# Altium PCB TrilliumV4.PcbDoc (part 3 of 3)
Units mm, origin at the board's own origin, x right, y up, seen from the top; angles counter-clockwise.
Board outline 100 x 100 mm, 4 copper layers (Top Layer, Ground Plane, Power Plane, Bottom Layer), stack 1.667 mm thick; 197 components, 151 nets, 1108 pads, 340 vias.
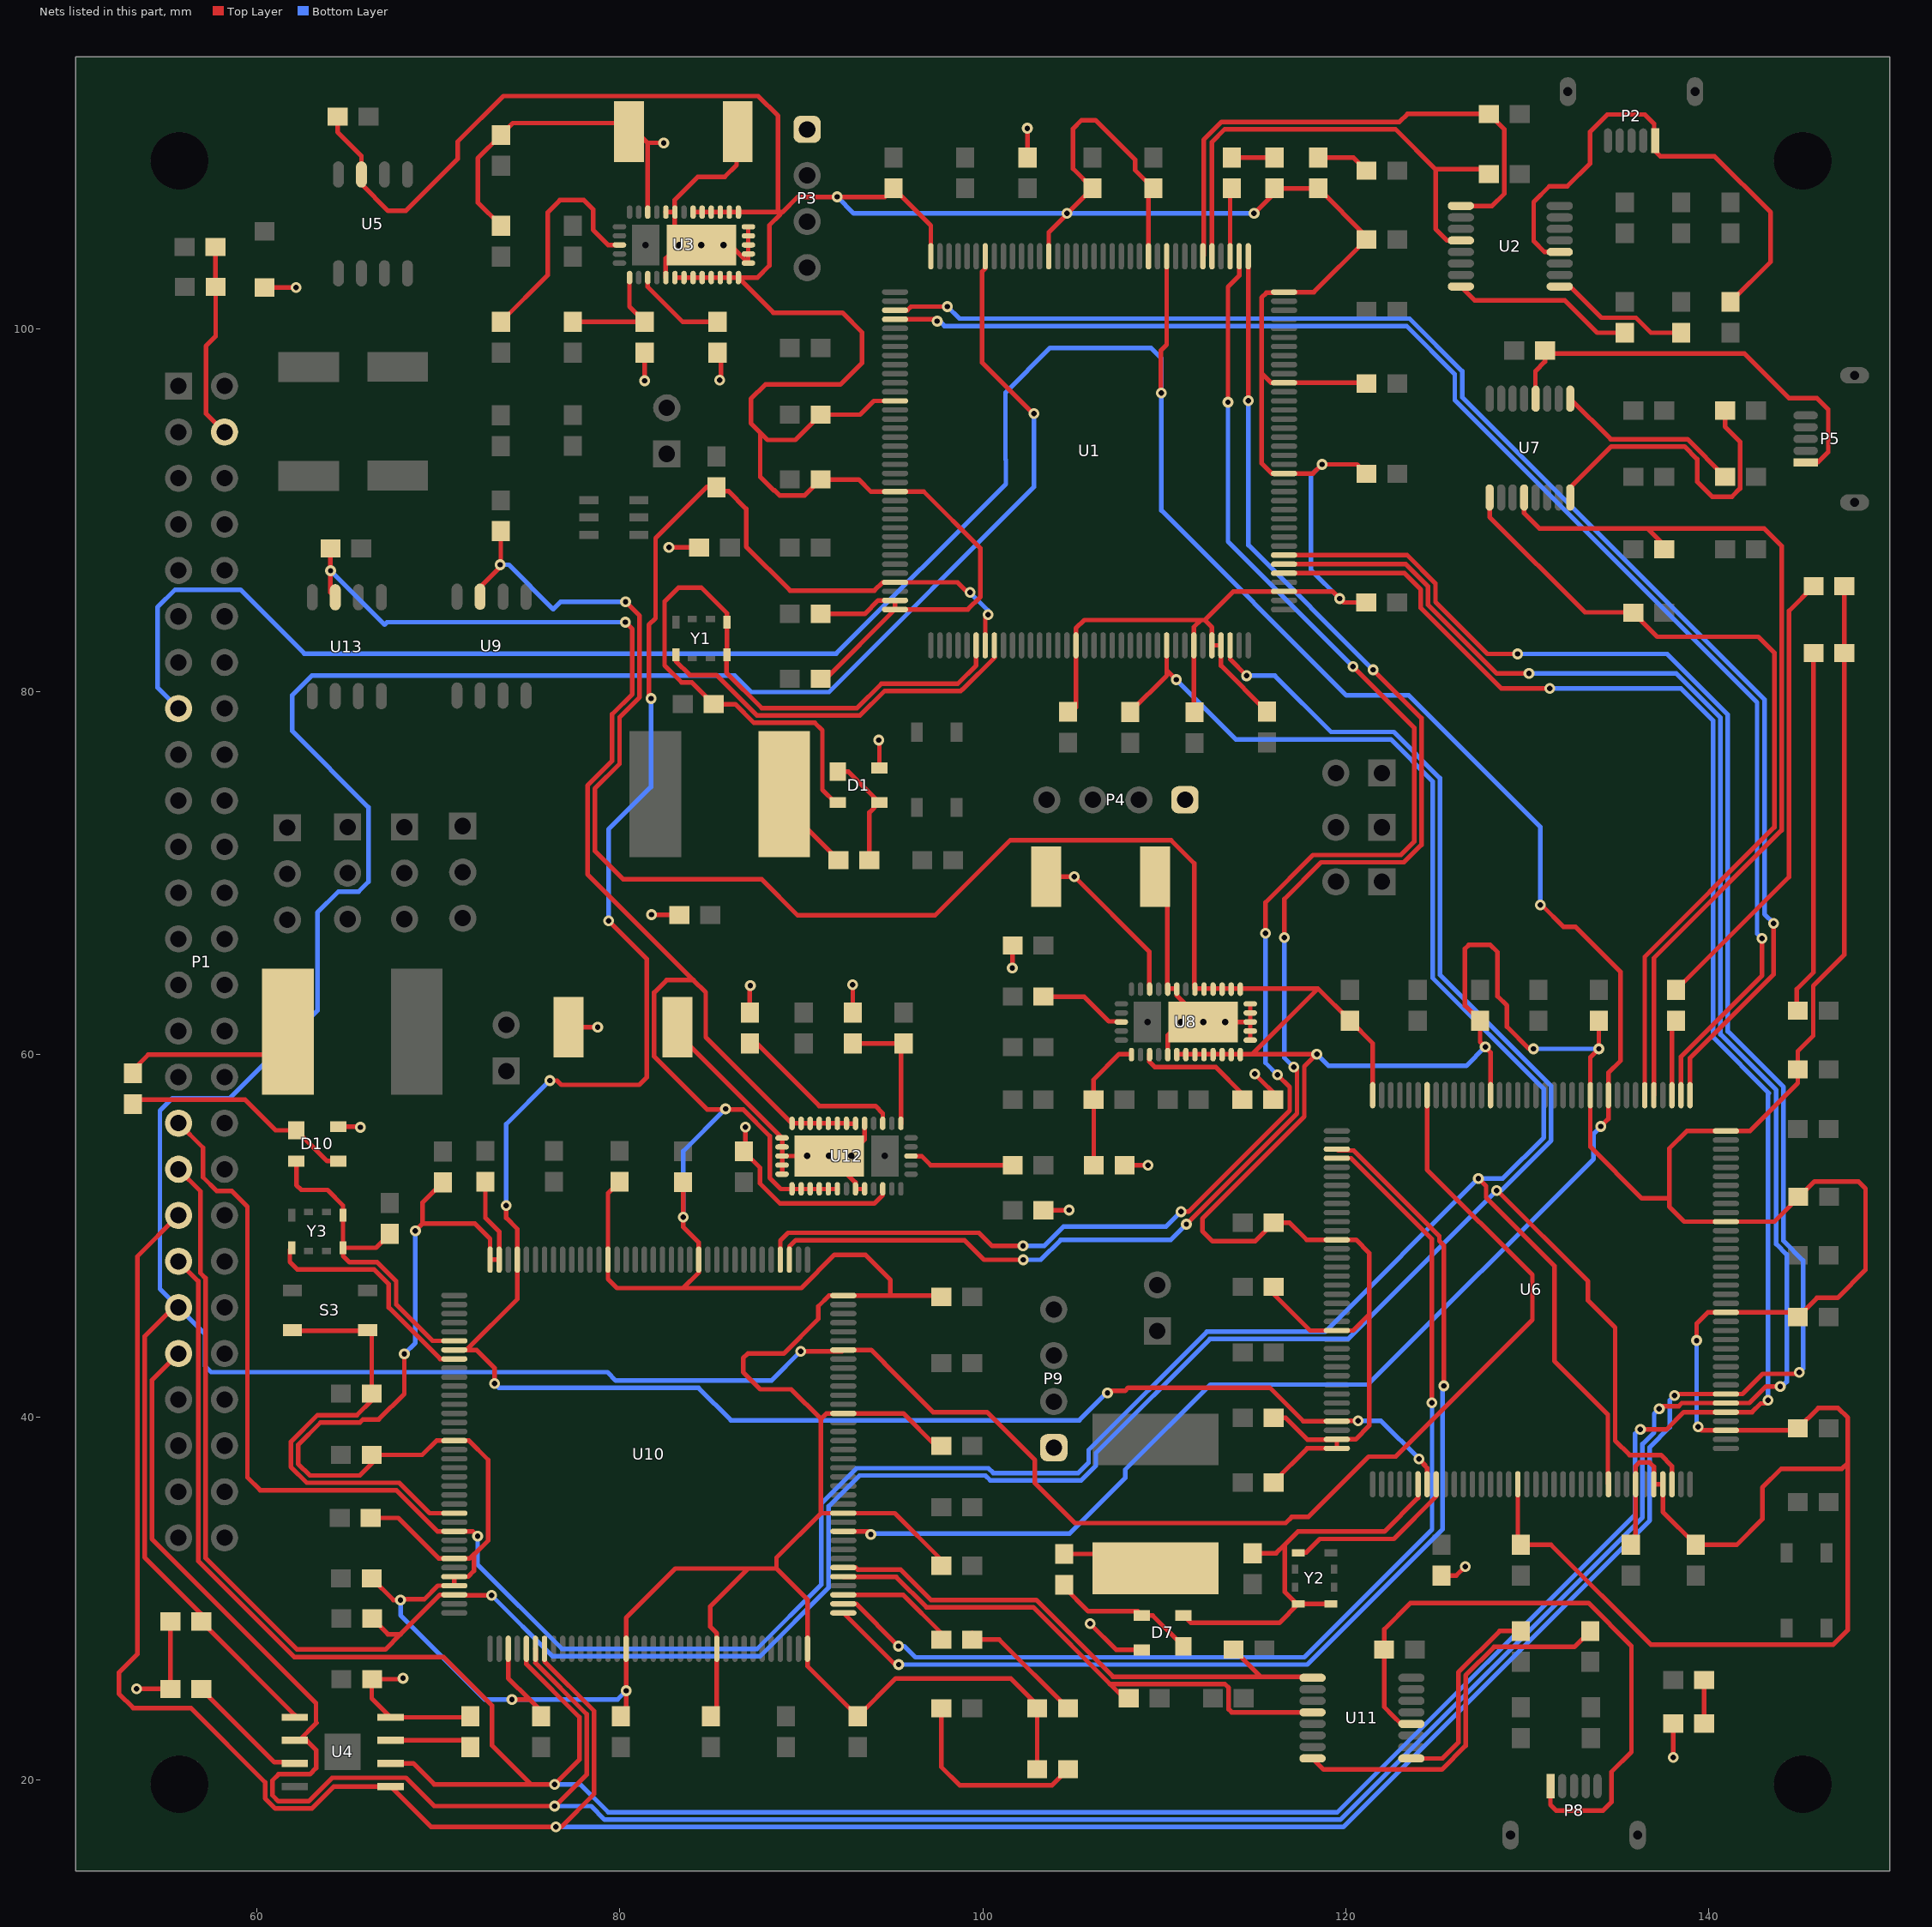
[diagram p5: the nets of this part, all layers, seen from the top]

## Via types
v1: diameter 0.6, hole 0.3, Top Layer to Bottom Layer, tented both sides, 338 vias
v2: diameter 0.5, hole 0.2, Top Layer to Bottom Layer, tented both sides, 2 vias

## Nets (pads, with @x,y where several pads share a name; then routed paths per layer and width w, separated by ;. In a path a pad name is that pad's centre, name@x,y a point inside that pad or via, vN(x,y) a via of type N, cw(c..) or ccw(c..) an arc to the next point about the centre after c; other vN are vias at no path point) (continued)
NetC59_1: C59.1 S3.1 U10.25 | length 24.9
  Top Layer w0.254: S3.1@61.92,44.78 66.07,44.78 66.31,44.54 C59.1@66.31,41.32 66.31,40.94 65.49,40.12 63.32,40.12 61.85,38.65 61.85,37.279 62.733,36.396 67.831,36.396 69.507,34.72 U10.25@70.865,34.72
NetD1_1: D1.1 D1.3 R7.2 | length 6.4
  Top Layer w0.254: D1.1@92,75.6 92.6,75.6 D1.3@94.3,73.9 93.75,73.35 R7.2@93.75,70.72
NetD2_K: D2.K R8.1 | length 2.4
  Top Layer w0.254: R8.1@113.73,109.46 D2.K@116.09,109.46
NetD3_K: D3.K R19.1 | length 3
  Top Layer w0.254: D3.K@118.5,109.46 120.43,109.46 R19.1@121.16,108.73
NetD6_K: D6.K R33.2 | length 25.4
  Top Layer w0.254: R33.2@138.23,63.57 144.454,69.794 144.454,84.464 D6.K@145.81,85.82
NetD7_1: D7.1 D7.3 R35.2 | length 8.1
  Top Layer w0.254: R35.2@104.49,30.77 104.49,30.64 105.82,29.31 108.54,29.31 D7.3@108.77,29.08 109.37,29.08 D7.1@111.07,27.38
NetD8_K: D8.K R40.1 | length 20.1
  Top Layer w0.254: R40.1@144.94,62.43 144.88,62.49 144.88,63.61 145.81,64.54 D8.K@145.81,82.14
NetD9_K: D9.K R50.1 | length 7
  Top Layer w0.254: R50.1@99.42,28.11 99.78,27.75 100.91,27.75 D9.K@104.7,23.96
NetD10_1: D10.1 D10.3 R53.2 | length 12.8
  Top Layer w0.254: R53.2@53.14,57.27 53.38,57.51 59.33,57.51 61.01,55.83 D10.1@62.16,55.83 63.86,54.13 D10.3@64.46,54.13
NetD11_K: D11.K R58.1 | length 11
  Top Layer w0.254: R58.1@97.72,23.96 97.72,20.73 98.74,19.71 103.81,19.71 D11.K@104.7,20.6
NetD12_K: D12.K R60.1 | length 2.4
  Top Layer w0.254: D12.K@139.77,23.12 R60.1@139.77,25.52
NetR3_2: R3.2 U2.8 | length 10.1
  Top Layer w0.254: U2.8@126.365,102.347 127.122,101.59 132.09,101.59 133.88,99.8 R3.2@135.4,99.8
NetR4_1: R4.1 U2.9 | length 7.8
  Top Layer w0.254: U2.9@131.815,102.347 132.393,102.347 134.113,100.627 136.015,100.627 136.842,99.8 R4.1@138.51,99.8
NetR7_1: R7.1 SC1.1 | length 4.9
  Top Layer w0.254: SC1.1@89.05,74.37 89.05,73.72 R7.1@92.05,70.72
NetR8_2: R8.2 U1.75 | length 3.8
  Top Layer w0.254: U1.75@113.64,104.015 113.64,107.67 R8.2@113.73,107.76
NetR11_2: R11.2 U3.5 U3.14 U3.15 U3.16 U3.17 U3.18 U3.26 U3.27 | length 15.2
  Top Layer w0.254: U3.5@82.52,102.84 82.52,103.893 U3.18@83.267,104.64 83.02,104.887 U3.26@83.02,106.45 ; U3.27@82.52,106.45 U3.27@82.53,106.45 U3.26@83.02,106.45 ; U3.18@85.707,104.64 86.07,104.64 87.07,103.64 U3.18@87.07,105.64 ; R11.2@86.43,111.11 86.43,109.05 85.78,108.4 84.3,108.4 83.02,107.12 U3.26@83.02,106.45
NetR16_1: R16.1 U4.7 | length 4.6
  Top Layer w0.254: U4.7@67.355,22.195 71.375,22.195 R16.1@71.75,21.82
NetR17_2: R17.2 U3.34 | length 13
  Top Layer w0.254: R17.2@73.44,100.4 76.024,102.984 76.024,106.443 76.687,107.106 78.013,107.106 78.516,106.603 78.516,105.473 79.349,104.64 U3.34@79.96,104.64
NetR18_1: R18.1 U4.3 | length 6.9
  Top Layer w0.254: R18.1@56.91,25.03 60.95,20.99 62,20.99 U4.3@62.065,20.925
NetR21_2: R21.2 R22.2 U3.1 | length 6.7
  Top Layer w0.254: R22.2@77.4,100.4 R21.2@81.36,100.4 80.52,101.24 U3.1@80.52,102.84
NetR23_2: R23.2 U3.3 | length 5.3
  Top Layer w0.254: U3.3@81.52,102.84 81.52,102.34 83.46,100.4 R23.2@85.38,100.4 R23.2@85.56,100.4
NetR31_2: R31.2 U7.8 | length 17.6
  Top Layer w0.254: U7.8@132.392,90.715 132.392,91.262 134.656,93.526 138.693,93.526 139.39,92.829 139.39,91.59 140.22,90.76 141.31,90.76 141.757,91.207 141.757,93.793 140.93,94.62 R31.2@140.93,95.51
NetR32_1: R32.1 U7.9 | length 10.3
  Top Layer w0.254: U7.9@132.392,96.165 134.627,93.93 138.86,93.93 R32.1@140.93,91.86
NetR33_1: R33.1 U6.75 | length 4.2
  Top Layer w0.254: U6.75@138,57.765 138,61.64 R33.1@138.23,61.87
NetR34_2: R34.2 U8.5 U8.14 U8.15 U8.16 U8.17 U8.18 U8.26 U8.27 | length 17.8
  Top Layer w0.254: R34.2@109.5,69.81 110.18,69.13 110.18,63.64 110.68,63.64 U8.26@110.68,63.61 ; U8.5@110.2,60 110.2,61.075 110.925,61.8 111.475,61.25 111.607,61.25 U8.18@112.157,61.8 ; U8.26@110.7,63.61 110.7,63.257 U8.18@112.157,61.8 ; U8.14@114.75,60.8 U8.15@114.75,61.3 U8.16@114.75,61.8 ; U8.18@114.75,62.8 U8.17@114.75,62.3 U8.16@114.75,61.8 ; U8.18@112.157,61.8 U8.18@113.377,61.8 U8.16@114.75,61.8
NetR35_1: R35.1 SC2.1 | length 5.4
  Top Layer w0.254: R35.1@104.49,32.47 108.74,32.47 SC2.1@109.53,31.68
NetR39_2: R39.2 U8.34 | length 4.8
  Top Layer w0.254: R39.2@103.35,63.2 105.589,63.2 106.959,61.83 U8.34@107.62,61.83
NetR42_2: R42.2 R43.2 U8.1 | length 7.4
  Top Layer w0.254: R42.2@106.12,53.9 106.12,57.51 R43.2@106.11,57.52 106.11,58.62 107.52,60.03 U8.1@108.18,60.03
NetR44_2: R44.2 U8.3 | length 6.6
  Top Layer w0.254: U8.3@109.18,60.03 109.18,59.63 109.49,59.32 112.84,59.32 114.31,57.85 R44.2@114.31,57.52
NetR46_2: R46.2 U11.8 | length 21
  Top Layer w0.254: U11.8@118.185,21.197 118.792,20.59 125.314,20.59 126.624,21.9 126.624,25.773 128.198,27.347 132.617,27.347 R46.2@133.49,28.22
NetR47_1: R47.1 U11.9 | length 11.2
  Top Layer w0.254: U11.9@123.635,21.197 125.35,21.197 126.22,22.067 126.22,25.94 128.5,28.22 R47.1@129.67,28.22
NetR48_2: R48.2 U12.5 U12.14 U12.15 U12.16 U12.17 U12.18 U12.26 U12.27 | length 19.2
  Top Layer w0.254: R48.2@83.17,61.51 83.17,61.172 88.942,55.4 U12.16@88.942,54.41 ; U12.16@88.937,54.41 U12.16@88.942,54.41 ; U12.18@88.942,53.4 88.942,53.91 U12.16@88.942,54.41 ; U12.26@92.987,52.6 92.987,52.953 U12.18@91.53,54.41 ; U12.26@92.992,52.59 U12.27@93.492,52.59 ; U12.5@93.487,56.21 93.487,55.316 92.581,54.41 U12.18@91.53,54.41 ; U12.16@88.942,54.41 U12.18@90.31,54.41 U12.18@91.53,54.41
NetR50_2: R50.2 U10.75 | length 6.6
  Top Layer w0.254: U10.75@92.315,30.22 95.61,30.22 97.72,28.11 R50.2@97.72,27.75
NetR52_2: R52.2 U12.34 | length 5.8
  Top Layer w0.254: U12.34@96.052,54.4 96.631,54.4 97.131,53.9 R52.2@101.65,53.9
NetR53_1: R53.1 SC3.1 | length 9.4
  Top Layer w0.254: R53.1@53.14,58.97 53.14,59.15 53.99,60 60.7,60 SC3.1@61.65,60.95
NetR54_2: R54.2 R55.2 U12.1 | length 7.3
  Top Layer w0.254: R54.2@92.84,60.62 R55.2@95.64,60.62 95.492,60.472 U12.1@95.492,56.2
NetR56_2: R56.2 U12.3 | length 9.5
  Top Layer w0.254: R56.2@87.16,60.62 87.54,60.62 90.99,57.17 94.08,57.17 94.492,56.758 U12.3@94.492,56.2
NetU1_8: U1.8 Y1.5 | length 21.2
  Top Layer w0.254: Y1.5@83.08,82.04 83.08,81.7 83.85,80.93 85.32,80.93 87.548,78.702 93.241,78.702 94.585,80.046 98.797,80.046 98.895,80.144 98.908,80.144 100.65,81.886 100.64,81.886 U1.8@100.64,82.565
NetU6_8: U6.8 Y2.5 | length 9.6
  Top Layer w0.254: Y2.5@117.4,32.54 117.83,32.54 118.59,33.3 122.664,33.3 125,35.636 U6.8@125,36.315
NetU10_8: U10.8 Y3.5 | length 12.9
  Top Layer w0.254: Y3.5@61.91,49.35 61.8,49.24 61.8,48.57 62.22,48.15 66.45,48.15 67.25,47.35 67.25,46.06 70.09,43.22 U10.8@70.865,43.22
PAY_GPIO_1: P1.8 U1.82 U6.82 U10.82 | length 189.2
  Top Layer w0.254: U10.82@92.315,33.72 93.66,33.72 v1(93.83,33.55) ; v1(109.85,96.47) 109.83,96.49 109.83,98.83 110.14,99.14 U1.82@110.14,104.015 ; v1@130.71,68.28 v1(130.74,68.25) 130.814,68.25 132.025,67.039 132.691,67.039 135.16,64.57 135.16,63.61 135.164,63.606 135.164,59.667 134.5,59.003 U6.82@134.5,57.765 134.5,56.46 v1(134.08,56.04)
  Bottom Layer w0.254: P1.8@55.66,79.08 54.5,80.24 54.5,84.66 55.474,85.634 58.664,85.634 59.069,85.634 62.598,82.105 91.925,82.105 101.275,91.455 101.275,92.784 101.252,92.807 101.252,96.495 103.718,98.961 109.276,98.961 109.85,98.387 v1(109.85,96.47) 109.85,90.001 120.044,79.807 123.5,79.807 130.74,72.567 v1(130.74,68.25) ; v1(93.83,33.55) 93.877,33.597 104.793,33.597 107.858,36.662 107.858,37.117 112.552,41.811 121.238,41.811 133.68,54.253 133.68,55.64 v1(134.08,56.04)
RTC_TS: R37.2 U1.7 U1.141 U6.7 U6.141 U10.7 U10.141 | length 139.8
  Top Layer w0.254: U10.7@70.865,43.72 U10.7@71.544,43.72 ; v1(73.08,41.87) 73.08,42.73 72.09,43.72 U10.7@71.544,43.72 ; v1(73.73,51.68) 73.73,51 74.34,50.39 U10.141@74.34,48.695 74.34,46.516 U10.7@71.544,43.72 ; v1(76.13,58.57) 76.53,58.57 76.767,58.333 81.063,58.333 81.48,58.75 81.48,65.27 v1(79.37,67.38) ; v1(81.71,79.63) 81.588,79.752 81.588,83.692 81.96,84.064 81.96,88.47 84.8,91.31 R37.2@85.32,91.31 ; R37.2@85.565,91.065 85.985,91.065 86.96,90.09 86.96,88 89.38,85.58 94.026,85.58 94.486,86.04 U1.141@95.165,86.04 98.61,86.04 99.17,85.48 v1(99.3,85.48) ; U1.7@100.14,82.565 100.14,84.11 v1(100.29,84.26) ; v1(106.88,41.35) 106.767,41.463 107.849,41.463 108.022,41.636 115.826,41.636 117.672,39.79 U6.141@119.525,39.79 119.545,39.81 v1(120.69,39.81) ; v1(124.06,37.71) 124.38,37.39 124.32,37.39 124.5,37.21 U6.7@124.5,36.315
  Bottom Layer w0.254: v1(73.08,41.87) 73.324,41.626 84.335,41.626 86.118,39.843 105.327,39.843 106.834,41.35 v1(106.88,41.35) ; v1(73.73,51.68) 73.73,56.17 v1(76.13,58.57) ; v1(79.37,67.38) 79.37,72.42 81.71,74.76 v1(81.71,79.63) ; v1(99.3,85.48) 100.29,84.49 v1(100.29,84.26) ; v1(120.69,39.81) 121.96,39.81 v1(124.06,37.71)
RX_MCU1_TX_MCU2: U1.112 U6.74 | length 80.7
  Top Layer w0.254: U1.112@95.165,100.54 97.39,100.54 v1(97.49,100.44) ; U6.74@138.5,57.765 138.5,59.89 142.97,64.36 v1@142.97,66.31
  Bottom Layer w0.254: v1@97.49,100.57 97.887,100.173 123.367,100.173 126.03,97.51 126.03,96.078 142.697,79.411 142.697,66.673 v1(142.97,66.4)
RX_MCU1_TX_MCU3: U1.73 U10.111 | length 90
  Top Layer w0.254: U10.111@89.34,48.695 89.34,49.42 89.691,49.771 98.989,49.771 100.07,48.69 v1(102.24,48.69) ; v1(111.23,50.65) v1(111.23,50.65) 117.329,56.75 117.329,59.131 v1(117.15,59.31) ; U1.73@114.64,104.015 114.64,96.06 v1(114.65,96.05) ; v1(116.63,66.46) 116.63,68.58 118.652,70.602 123.225,70.602 124.19,71.567 124.19,78.55 v1(121.52,81.22)
  Bottom Layer w0.254: v1(102.24,48.69) 103.199,48.69 104.293,49.784 110.364,49.784 v1(111.23,50.65) ; v1(114.65,96.05) 114.65,88.09 v1(121.52,81.22) ; v1(116.63,66.46) 116.63,59.83 v1(117.15,59.31)
RX_MCU2_TX_MCU3: U6.112 U10.74 | length 59.8
  Top Layer w0.254: U10.74@92.315,29.72 93.02,29.72 v1(95.35,27.39) v1@95.39,27.35 ; U6.112@119.525,54.29 120.31,54.29 124.77,49.83 v1(124.77,40.81)
  Bottom Layer w0.254: v1(95.35,27.39) 95.67,27.39 96.286,26.774 117.723,26.774 124.772,33.823 124.772,40.808 v1(124.77,40.81)
SPI1_CS: P1.21 R14.1 U1.102 U4.1 U6.102 U10.102 | length 232.7
  Top Layer w0.254: P1.21@55.66,46.06 55.39,46.06 53.79,44.46 53.79,32.29 56.91,29.17 R14.1@56.91,28.75 62.065,23.595 U4.1@62.065,23.465 ; v1(89.96,43.64) 89.967,43.647 92.242,43.647 U10.102@92.315,43.72 93.856,43.72 94.567,43.009 94.567,42.987 97.266,40.288 100.235,40.288 102.878,37.645 102.878,36.373 105.077,34.174 116.701,34.174 117.039,34.512 117.947,34.512 121.275,37.84 122.769,37.84 130.306,45.377 130.306,47.854 124.5,53.66 U6.102@124.5,57.765 ; U1.102@100.14,104.015 100.14,103.336 99.97,103.166 99.97,98.15 102.78,95.34 v1(102.82,95.34)
  Bottom Layer w0.254: v1(89.96,43.64) 88.35,42.03 79.769,42.03 79.306,42.493 57.46,42.493 57.12,42.833 57.12,44.6 P1.21@55.66,46.06 54.633,47.087 54.633,56.913 55.32,57.6 58.492,57.6 63.32,62.428 63.32,67.834 64.469,68.983 65.588,68.983 66.132,69.527 66.132,73.635 61.93,77.837 61.93,79.82 63.003,80.893 86.337,80.893 87.24,79.99 91.524,79.99 102.82,91.286 v1(102.82,95.34)
SPI1_MISO: P1.22 U1.42 U4.2 U6.42 U10.42 | length 207
  Top Layer w0.254: P1.22@55.66,43.52 54.194,42.054 54.194,33.296 63.24,24.25 63.24,23.19 63.27,23.16 U4.2@62.305,22.195 ; U4.2@62.065,22.195 U4.2@62.305,22.195 ; U10.42@75.34,27.245 75.364,27.221 75.364,26.493 75.34,26.469 78.166,23.643 78.166,20.296 76.44,18.57 v1(76.39,18.57) 69.757,18.57 68.195,20.132 64.132,20.132 62.84,18.84 61.17,18.84 60.84,19.17 60.84,19.99 61.18,20.33 62.909,20.33 63.25,20.671 63.25,21.67 62.725,22.195 U4.2@62.305,22.195 ; U1.42@116.615,87.04 123.324,87.04 124.558,85.806 124.558,84.793 128.341,81.01 v1(130.12,81.01) ; v1(137.3,40.48) 137.443,40.623 138.379,40.623 138.546,40.79 U6.42@140.975,40.79 142.27,40.79 143.19,41.71 v1(143.97,41.71)
  Bottom Layer w0.254: v1(76.39,18.57) 78.41,18.57 79.156,17.824 119.713,17.824 136.376,34.488 136.376,38.526 137.02,39.17 137.02,40.2 v1(137.3,40.48) ; v1(130.12,81.01) 138.241,81.01 140.677,78.575 140.677,61.115 143.75,58.041 143.75,49.56 144.33,48.98 144.33,41.97 144.07,41.71 v1(143.97,41.71)
SPI1_MOSI: P1.19 U1.43 U4.5 U6.43 U10.43 | length 217.3
  Top Layer w0.254: P1.19@55.66,51.14 53.386,48.866 53.386,26.946 52.37,25.93 52.37,24.77 53.16,23.98 56.34,23.98 60.436,19.884 60.436,19.003 61.003,18.436 63.007,18.436 64.226,19.655 U4.5@67.355,19.655 69.59,17.42 v1(76.47,17.42) 76.76,17.42 78.57,19.23 78.57,23.81 75.84,26.54 U10.43@75.84,27.245 ; U1.43@116.615,87.54 123.396,87.54 124.962,85.974 124.962,84.961 127.833,82.09 v1(129.49,82.09) ; v1(138.14,41.2) 138.23,41.29 U6.43@140.975,41.29 141.893,41.29 143.003,42.4 144.94,42.4 v1(145.02,42.48)
  Bottom Layer w0.254: v1(76.47,17.42) 119.88,17.42 136.78,34.32 136.78,38.359 137.88,39.459 137.88,40.94 v1(138.14,41.2) ; v1(129.49,82.09) 137.733,82.09 141.081,78.742 141.081,61.282 144.154,58.209 144.154,49.727 145.23,48.651 145.23,42.69 v1(145.02,42.48)
SPI1_SCLK: P1.20 U1.41 U4.6 U6.41 U10.41 | length 206.4
  Top Layer w0.254: P1.20@55.66,48.6 56.746,47.514 56.746,32.084 62.04,26.79 70.27,26.79 72.936,24.124 72.936,21.924 75.09,19.77 ; U4.6@67.355,20.925 68.605,20.925 69.76,19.77 75.09,19.77 ; U10.41@74.84,27.245 74.84,26.397 77.762,23.475 77.762,21.132 v1(76.4,19.77) 75.09,19.77 ; U1.41@116.615,86.54 123.253,86.54 124.154,85.639 124.154,84.626 128.59,80.19 v1(131.27,80.19) ; v1(136.26,39.34) 137.7,39.34 138.65,40.29 U6.41@140.975,40.29 142.417,40.29 142.894,40.767 143.127,40.767 v1(143.3,40.94)
  Bottom Layer w0.254: v1(76.4,19.77) 77.81,19.77 79.352,18.228 119.545,18.228 135.972,34.655 135.972,39.102 136.21,39.34 v1(136.26,39.34) ; v1(131.27,80.19) 138.49,80.19 140.273,78.407 140.273,60.947 143.34,57.88 143.3,57.84 v1(143.3,40.94)
SYS_WKP0: P1.18 R1.2 U1.34 U6.34 U10.34 | length 176.9
  Top Layer w0.254: P1.18@55.66,53.68 56.87,52.47 56.87,47.961 57.15,47.681 57.15,32.251 62.191,27.21 67.07,27.21 67.905,28.045 ; R1.2@66.34,28.91 67.205,28.045 67.905,28.045 ; v1(72.92,30.19) 70.895,30.19 U10.34@70.865,30.22 70.08,30.22 67.905,28.045 ; U1.34@113.64,82.565 113.64,81.8 v1(114.55,80.89) ; v1(128.33,52.5) 128.38,52.5 133.374,47.506 133.374,46.451 134.871,44.954 134.871,38.72 135.669,37.922 137.395,37.922 138,37.317 U6.34@138,36.315
  Bottom Layer w0.254: v1(72.92,30.19) 76.28,26.83 87.72,26.83 91.51,30.62 91.51,35.1 93.207,36.797 100.146,36.797 100.414,36.529 105.44,36.529 106.242,37.331 106.242,38.038 112.524,44.32 120.15,44.32 v1(128.33,52.5) 128.579,52.5 131.34,55.261 131.34,58.27 125.21,64.4 125.21,75.241 122.664,77.787 119.208,77.787 116.105,80.89 v1(114.55,80.89) v1@114.403,80.743
SYS_WKP5: P1.17 R2.2 U1.27 U6.27 U10.27 | length 176.6
  Top Layer w0.254: P1.17@55.66,56.22 57.01,54.87 57.01,53.24 57.76,52.49 58.59,52.49 59.46,51.62 59.46,36.69 60.16,35.99 67.666,35.99 69.936,33.72 U10.27@70.865,33.72 71.88,33.72 v1(72.15,33.45) ; R2.2@108.14,78.89 110.14,80.89 110.14,81.2 ; U1.27@110.14,82.565 110.14,81.2 ; v1(110.67,80.67) 110.14,81.2 ; v1(127.33,53.17) 127.753,52.747 127.753,52.121 131.518,48.356 131.518,43.112 134.467,40.163 134.467,36.348 U6.27@134.5,36.315
  Bottom Layer w0.254: v1(72.15,33.45) 72.15,31.89 76.806,27.234 87.553,27.234 91.106,30.787 91.106,35.267 93.04,37.201 100.313,37.201 100.581,36.933 105.272,36.933 105.838,37.499 105.838,38.205 112.357,44.724 118.884,44.724 v1(127.33,53.17) 128.677,53.17 130.936,55.429 130.936,58.103 124.806,64.233 124.806,75.073 122.499,77.38 120.47,77.38 120.467,77.383 113.957,77.383 v1(110.67,80.67)
TX_MCU1_RX_MCU2: U1.111 U6.73 | length 81.8
  Top Layer w0.254: U1.111@95.165,101.04 95.844,101.04 96.044,101.24 v1(98.05,101.24) ; U6.73@139,57.765 139,59.819 143.61,64.429 v1(143.61,67.24)
  Bottom Layer w0.254: v1(98.05,101.24) 98.713,100.577 123.534,100.577 126.434,97.677 126.434,96.245 143.101,79.579 143.101,67.749 v1(143.61,67.24)
TX_MCU1_RX_MCU3: U1.74 U10.112 | length 91.1
  Top Layer w0.254: U10.112@88.84,48.695 88.84,49.75 89.265,50.175 99.795,50.175 100.52,49.45 v1(102.22,49.45) ; v1(110.93,51.34) 111.347,51.34 116.925,56.918 116.925,58.215 v1(116.25,58.89) ; v1(113.52,95.97) 113.52,102.32 114.14,102.94 U1.74@114.14,104.015 ; v1(115.59,66.69) 115.59,68.389 118.207,71.006 123.057,71.006 123.786,71.735 123.786,78.024 v1(120.41,81.4)
  Bottom Layer w0.254: v1(102.22,49.45) 103.387,49.45 104.451,50.514 110.104,50.514 v1(110.93,51.34) ; v1(113.52,95.97) 113.52,88.29 v1(120.41,81.4) ; v1(115.59,66.69) 115.59,59.55 v1(116.25,58.89) v1@116.26,58.88
TX_MCU2_RX_MCU3: U6.111 U10.73 | length 61.2
  Top Layer w0.254: U10.73@92.315,29.22 95.165,26.37 v1(95.37,26.37) ; U6.111@119.525,54.79 119.598,54.717 120.454,54.717 125.174,49.997 125.174,49.726 125.43,49.47 v1(125.43,41.74)
  Bottom Layer w0.254: v1(95.37,26.37) 117.89,26.37 125.347,33.827 v1@125.347,41.74
USART3_RX_MCU1: R61.1 U1.78 U2.1 | length 30.2
  Top Layer w0.254: U1.78@112.14,104.015 112.18,104.055 112.18,110.43 113.17,111.42 122.98,111.42 123.42,111.86 R61.1@127.91,111.86 128.76,111.01 128.76,107.47 128.082,106.792 U2.1@126.365,106.792
USART3_RX_MCU2: R63.2 U6.78 U7.1 | length 47.2
  Top Layer w0.254: U7.1@127.947,90.715 127.947,89.643 133.205,84.385 135.845,84.385 R63.2@135.87,84.36 137.19,83.04 142.76,83.04 143.646,82.154 143.646,72.536 136.5,65.39 U6.78@136.5,57.765
USART3_RX_MCU3: R65.2 U10.78 U11.1 | length 30.5
  Top Layer w0.254: U10.78@92.315,31.72 92.994,31.72 93.111,31.603 95.477,31.603 97.146,29.934 102.947,29.934 107.18,25.701 115.329,25.701 ; R65.2@113.83,27.2 115.329,25.701 ; U11.1@118.185,25.642 118.126,25.701 115.329,25.701
USART3_TX_MCU1: R62.1 U1.77 U2.4 | length 27.8
  Top Layer w0.254: U1.77@112.64,104.015 112.64,110.319 113.337,111.016 122.764,111.016 124.97,108.81 ; U2.4@126.365,104.887 125.603,104.887 124.97,105.52 124.97,108.81 ; R62.1@127.91,108.54 127.64,108.81 124.97,108.81
USART3_TX_MCU2: R64.1 U6.77 U7.4 | length 50.5
  Top Layer w0.254: U7.4@129.852,90.715 129.852,89.846 130.699,89 136.67,89 ; U6.77@137,57.765 137,65.319 144.05,72.369 144.05,88.04 143.09,89 136.67,89 ; R64.1@137.57,87.86 137.57,88.1 136.67,89
USART3_TX_MCU3: R66.2 U10.77 U11.4 | length 31
  Top Layer w0.254: U10.77@92.315,31.22 92.336,31.199 95.231,31.199 96.9,29.53 102.78,29.53 107.013,25.297 ; R66.2@108.05,24.52 107.79,24.52 107.013,25.297 ; U11.4@118.185,23.737 118.179,23.743 113.725,23.743 113.563,23.905 113.563,25.089 113.355,25.297 107.013,25.297
USBVCC_MCU_1: C6.2 P2.1 U2.12 | length 28.9
  Top Layer w0.254: U2.12@131.815,104.252 130.982,104.252 130.98,104.25 130.38,104.85 130.38,107.01 131.24,107.87 132.23,107.87 133.48,109.12 133.48,110.87 134.44,111.83 136.51,111.83 137.02,111.32 137.02,109.871 137.367,109.524 140.356,109.524 143.44,106.44 143.44,103.71 C6.2@141.23,101.5
USBVCC_MCU_2: C32.1 P5.1 U7.12 | length 23.2
  Top Layer w0.254: U7.12@130.487,96.165 130.47,96.182 130.47,97.68 131,98.21 C32.1@131,98.82 131.17,98.65 142.001,98.65 144.461,96.19 146,96.19 146.62,95.57 146.62,93.22 146.06,92.66 P5.1@145.85,92.66
USBVCC_MCU_3: C56.2 P8.1 U11.12 | length 35.2
  Top Layer w0.254: U11.12@123.635,23.102 123.06,23.102 122.633,23.53 122.633,23.537 122.14,24.03 122.14,28.32 123.586,29.766 133.403,29.766 135.77,27.399 135.77,21.56 134.66,20.45 134.66,18.79 134.19,18.32 131.62,18.32 131.3,18.64 P8.1@131.3,19.67
VBAT1: C7.2 D1.2 U1.6 Y1.1 Y1.8 | length 42.4
  Top Layer w0.254: D1.2@92,73.9 91.86,73.9 91.16,74.6 91.16,77.88 90.742,78.298 87.381,78.298 86.359,79.32 C7.2@85.16,79.32 83.954,80.526 83.394,80.526 82.46,81.46 82.46,84.98 83.23,85.75 84.48,85.75 85.9,84.33 Y1.1@85.9,83.84 Y1.8@85.9,82.04 85.87,82.01 85.87,81.05 87.814,79.106 93.073,79.106 94.417,80.45 98.63,80.45 99.64,81.46 U1.6@99.64,82.565
VBAT2: C33.2 D7.2 U6.6 Y2.1 Y2.8 | length 23.6
  Top Layer w0.254: D7.2@111.07,29.08 111.48,28.67 116.35,28.67 Y2.8@117.4,29.72 ; C33.2@114.88,32.51 116.18,32.51 116.66,32.99 ; Y2.1@119.15,29.67 Y2.1@119.2,29.72 Y2.8@117.4,29.72 ; U6.6@124,36.315 124,35.56 122.144,33.704 117.374,33.704 116.66,32.99 ; 116.66,32.99 116.66,30.373 117.313,29.72 Y2.8@117.4,29.72
VBAT3: C57.2 D10.2 U10.6 Y3.1 Y3.8 | length 18.8
  Top Layer w0.254: D10.2@62.16,54.13 62.16,52.81 62.43,52.54 63.87,52.54 64.73,51.68 Y3.1@64.73,51.15 ; Y3.1@64.73,51.12 Y3.8@64.73,49.35 ; C57.2@67.31,50.12 66.54,49.35 Y3.8@64.73,49.35 ; U10.6@70.865,44.22 69.661,44.22 67.66,46.221 67.66,47.511 66.617,48.554 65.086,48.554 64.73,48.91 Y3.8@64.73,49.35
VCC: C8.2 D1.4 D4.1 D7.4 D10.4 D12.A P1.51 P3.1 P4.1 P9.1 R5.2 R6.2 R11.1 R12.2 R14.2 R15.2 R16.2 R18.2 R21.1 R23.1 R28.2 R29.2 R30.2 R34.1 R36.2 R38.2 R42.1 R44.1 R48.1 R49.2 R51.2 R54.1 R56.1 U3.29 U4.8 U8.29 U12.29 | length 95.6
  Top Layer w0.254: v1(53.34,25.04) 53.35,25.03 R18.2@55.21,25.03 R14.2@55.21,28.75 ; R5.2@57.7,104.52 57.7,102.33 R6.2@57.71,102.32 57.71,99.6 57.173,99.063 57.173,95.347 P1.51@58.2,94.32 ; D4.1@60.37,102.32 D4.1@60.4,102.29 v1(62.14,102.29) v1@62.15,102.3 ; D10.4@64.46,56.03 65.64,56.03 v1(65.68,55.99) ; C8.2@66.31,25.57 66.31,24.51 U4.8@67.355,23.465 71.695,23.465 R16.2@71.75,23.52 ; C8.2@66.34,25.57 67.99,25.57 v1(68.04,25.62) ; R15.2@73.44,105.7 72.16,106.98 72.16,109.42 R12.2@73.44,110.7 74.1,111.36 80.43,111.36 81.52,110.27 ; R48.1@77.17,61.51 v1(78.77,61.51) v1@78.79,61.53 ; v1(81.36,97.15) R21.1@81.36,98.7 ; U3.29@81.52,106.45 81.52,110.27 ; v1@81.75,67.71 81.76,67.7 R36.2@83.28,67.7 ; v1(82.41,110.26) 82.4,110.27 81.52,110.27 ; v1(82.7,87.96) R30.2@84.36,87.96 ; R23.1@85.38,98.7 85.56,98.52 v1@85.56,97.26 ; v1(86.91,56.01) 86.91,54.582 87.72,53.772 87.72,52.901 88.83,51.791 94.022,51.791 94.492,52.261 U12.29@94.492,52.59 ; R56.1@87.16,62.32 87.16,63.78 v1(87.19,63.81) ; v1(92.83,63.86) 92.84,63.85 R54.1@92.84,62.32 ; v1@94.29,77.32 94.3,77.31 D1.4@94.3,75.8 ; v1(101.63,64.77) 101.65,64.79 R38.2@101.65,66.01 ; v1(102.46,111.07) 102.47,111.06 R29.2@102.47,109.46 ; R51.2@103.35,51.42 104.75,51.42 v1(104.76,51.43) ; R34.1@103.5,69.81 v1(105.05,69.81) 109.18,65.68 U8.29@109.18,63.64 ; v1(105.92,28.63) 107.37,27.18 D7.4@108.77,27.18 ; R42.1@107.82,53.9 v1(109.12,53.9) ; v1(115,58.93) 116.41,57.52 R44.1@116.01,57.52 ; R28.2@125.3,31.28 126.11,31.28 v1(126.6,31.77) ; v1(138.07,21.26) D12.A@138.07,23.12
  other v1: 81.74,67.72 94.27,77.34 85.5,97.18
VCC_1: C1.1 C12.2 C13.2 C14.2 C15.2 C16.2 C17.2 C18.2 C19.2 C20.2 C21.1 C23.2 C24.2 C25.2 C26.2 D2.A D3.A U1.17 U1.30 U1.32 U1.33 U1.39 U1.52 U1.62 U1.72 U1.84 U1.95 U1.108 U1.121 U1.131 U1.143 U1.144 U3.6 U3.7 U3.8 U3.9 U3.10 U3.11 U3.12 U3.13 U3.19 U3.20 U3.21 U3.22 U3.23 U3.24 U5.3 | length 245.6
  Top Layer w0.254: C21.1@64.43,111.72 64.43,110.86 65.745,109.545 U5.3@65.745,108.525 65.745,107.995 67.22,106.52 68.19,106.52 71.05,109.38 71.05,110.33 73.57,112.85 87.622,112.85 88.72,111.752 88.72,106.45 ; U3.6@83.02,102.84 U3.6@83.03,102.84 U3.7@83.53,102.84 U3.8@84.03,102.84 U3.9@84.53,102.84 U3.10@85.03,102.84 U3.11@85.53,102.84 U3.12@86.03,102.84 U3.13@86.52,102.84 ; U3.24@84.02,106.45 U3.24@84.03,106.45 U3.23@84.53,106.45 U3.22@85.03,106.45 U3.21@85.53,106.45 U3.20@86.03,106.45 U3.19@86.53,106.45 88.72,106.45 ; C23.2@91.06,80.72 91.345,80.72 U1.144@95.165,84.54 ; C24.2@91.06,84.3 93.49,84.3 94.23,85.04 U1.143@95.165,85.04 U1.144@95.165,84.54 ; U1.121@95.165,96.04 94,96.04 93.24,95.28 C26.2@91.06,95.28 89.67,93.89 88.14,93.89 87.733,94.297 ; U1.108@97.14,104.015 97.14,105.7 C12.2@95.08,107.76 94.6,107.28 89.79,107.28 88.96,106.45 88.72,106.45 ; U1.95@103.64,104.015 103.64,105.34 C13.2@106.06,107.76 104.98,108.84 104.98,111.05 105.45,111.52 106.22,111.52 108.4,109.34 108.4,108.77 C14.2@109.41,107.76 109.14,107.49 U1.84@109.14,104.015 ; C20.2@104.875,78.875 105.14,79.14 U1.17@105.14,82.565 105.14,83.5 105.6,83.96 112.03,83.96 ; C19.2@111.39,78.9 111.64,79.15 U1.30@111.64,82.565 111.64,83.57 112.03,83.96 ; v1(114.96,106.38) 116.09,107.51 D2.A@116.09,107.76 D3.A@118.5,107.76 121.16,105.1 C15.2@121.16,104.94 118.26,102.04 U1.72@116.615,102.04 116.575,102 115.64,102 115.37,101.73 115.37,97.57 ; C1.1@115.68,78.91 113.14,81.45 U1.33@113.14,82.565 U1.32@112.64,82.565 112.64,83.56 112.24,83.96 ; C18.2@121.15,84.93 119.89,84.93 v1(119.68,85.14) 119.28,85.54 U1.39@116.615,85.54 113.82,85.54 112.24,83.96 ; C17.2@121.16,92.02 120.64,92.54 v1(118.71,92.54) 118.21,92.04 U1.52@116.615,92.04 115.936,92.04 115.37,92.606 115.37,97.57 ; C16.2@121.16,97 121.12,97.04 U1.62@116.615,97.04 115.9,97.04 115.37,97.57 ; U3.13@86.52,102.84 U3.13@86.53,102.84 87.58,102.84 88.24,103.5 88.24,105.73 88.84,106.33 88.72,106.45 ; U3.13@86.52,102.84 88.46,100.9 92.26,100.9 93.35,99.81 93.35,98.14 92.154,96.944 88.014,96.944 87.22,96.15 87.22,94.81 87.733,94.297 ; 87.733,94.297 87.733,91.848 88.467,91.114 88.514,91.114 88.808,90.82 90.17,90.82 C25.2@91.06,91.71 93.16,91.71 93.83,91.04 U1.131@95.165,91.04 96.75,91.04 99.877,87.913 99.877,85.241 99.176,84.54 U1.144@95.165,84.54 ; 112.03,83.96 112.24,83.96
  Bottom Layer w0.254: v1(91.98,107.29) 92.89,106.38 v1(104.64,106.38) v1(114.96,106.38) ; v1(118.71,92.54) 118.09,91.92 118.09,86.73 v1(119.68,85.14)
VCC_2: C27.1 C37.2 C38.2 C39.2 C40.2 C41.2 C42.2 C43.2 C44.2 C45.2 C46.1 C47.2 C48.2 C49.2 C50.2 D6.A D8.A U6.17 U6.30 U6.32 U6.33 U6.39 U6.52 U6.62 U6.72 U6.84 U6.95 U6.108 U6.121 U6.131 U6.143 U6.144 U8.6 U8.7 U8.8 U8.9 U8.10 U8.11 U8.12 U8.13 U8.19 U8.20 U8.21 U8.22 U8.23 U8.24 U9.3 | length 331.8
  Top Layer w0.254: U9.3@72.285,85.245 72.285,85.775 73.43,86.92 C46.1@73.43,88.86 ; v1(80.31,84.97) 81.084,84.196 81.084,79.713 79.974,78.603 79.974,76.029 78.614,74.669 78.614,71.236 80.176,69.674 87.807,69.674 89.797,67.684 97.374,67.684 101.51,71.82 110.382,71.82 111.666,70.536 111.666,63.654 111.68,63.64 113.2,63.64 118.48,63.64 ; U8.6@110.68,60.03 112.2,60.03 114.87,60.03 ; C47.2@116.04,36.41 116.04,36.44 117.89,38.29 U6.144@119.525,38.29 U6.143@119.525,38.77 ; C48.2@116.04,39.98 116.7,39.98 117.9,38.78 U6.143@119.515,38.78 ; C49.2@116.04,47.2 116.04,46.8 118.05,44.79 U6.131@119.525,44.79 120.42,44.79 121.305,45.675 ; v1(118.42,60.03) v1@118.41,60.03 ; U6.143@119.525,38.79 120.56,38.79 121.31,39.54 121.31,49.06 120.58,49.79 U6.121@119.525,49.79 117.86,49.79 116.92,50.73 C50.2@116.04,50.73 115.02,49.71 112.67,49.71 112.11,50.27 112.11,50.96 117.733,56.583 117.733,59.353 v1@118.41,60.03 ; U6.108@121.5,57.765 121.5,60.62 C37.2@120.25,61.87 118.48,63.64 ; U6.95@128,57.765 128,60.12 127.42,60.7 C38.2@127.42,61.87 126.59,62.7 126.59,65.84 126.8,66.05 127.99,66.05 128.38,65.66 128.38,63.221 128.904,62.697 128.904,61.536 130.12,60.32 v1(130.36,60.32) ; U6.17@129.5,36.315 129.5,33.15 C45.2@129.67,32.98 131.331,32.98 136.837,27.474 146.893,27.474 147.696,28.277 147.696,37.496 ; C39.2@133.97,61.87 v1(133.97,60.32) 133.5,59.85 U6.84@133.5,57.765 133.5,54.92 136.343,52.077 137.853,52.077 ; C44.2@135.73,32.98 136,33.25 U6.30@136,36.315 136,37.32 136.198,37.518 136.764,37.518 137,37.282 U6.32@137,36.315 U6.33@137.5,36.315 137.5,34.79 C27.1@139.31,32.98 141.58,32.98 142.986,34.386 142.986,36.127 144.029,37.17 147.37,37.17 147.696,37.496 ; 137.853,51.617 138.68,50.79 U6.62@140.975,50.79 143.65,50.79 145.87,53.01 148.28,53.01 148.677,52.613 148.677,48.137 147.13,46.59 146,46.59 C42.2@144.94,45.53 144.68,45.79 U6.52@140.975,45.79 139.98,45.79 139.36,45.17 v1(139.36,44.24) ; 137.86,51.66 137.86,52.07 137.853,52.077 ; v1(139.44,39.48) 139.63,39.29 U6.39@140.975,39.29 144.84,39.29 C43.2@144.94,39.39 146.066,40.516 147.163,40.516 147.696,39.983 147.696,37.496 ; D6.A@147.51,85.82 D8.A@147.51,82.14 147.51,65.51 145.79,63.79 145.79,61.04 144.94,60.19 144.94,58.43 142.3,55.79 U6.72@140.975,55.79 138.82,55.79 137.853,54.823 137.853,52.077 ; 114.87,60.03 118.48,63.64 ; 114.87,60.03 v1@118.41,60.03
  Bottom Layer w0.254: v1(73.39,87.01) 73.87,87.01 76.32,84.56 76.73,84.97 v1(80.31,84.97) ; v1(118.42,60.03) 119.07,59.38 126.66,59.38 v1(127.71,60.43) ; v1(130.36,60.32) v1(133.97,60.32) ; v1(139.36,44.24) 139.36,39.56 v1(139.44,39.48)
VCC_3: C51.1 C61.2 C62.2 C63.2 C64.2 C65.2 C66.2 C67.2 C68.2 C69.2 C70.1 C71.2 C72.2 C73.2 C74.2 D9.A D11.A U10.17 U10.30 U10.32 U10.33 U10.39 U10.52 U10.62 U10.72 U10.84 U10.95 U10.108 U10.121 U10.131 U10.143 U10.144 U12.6 U12.7 U12.8 U12.9 U12.10 U12.11 U12.12 U12.13 U12.19 U12.20 U12.21 U12.22 U12.23 U12.24 U13.3 | length 292
  Top Layer w0.254: C70.1@64.04,87.9 64.04,85.48 U13.3@64.305,85.215 ; C68.2@66.25,34.46 67.78,34.46 70.02,32.22 U10.30@70.865,32.22 71.7,32.22 71.95,32.47 ; C51.1@66.31,31.13 67.51,29.93 v1(67.9,29.93) ; v1@67.9,29.97 69.21,29.97 69.96,30.72 U10.33@70.865,30.72 U10.32@70.865,31.22 71.63,31.22 71.95,31.54 71.95,32.47 ; v1(68.11,43.5) 68.11,41.298 66.702,39.89 65.831,39.89 65.657,39.716 63.487,39.716 62.254,38.483 62.254,37.446 62.9,36.8 65.66,36.8 66.79,37.93 69.09,37.93 69.88,38.72 U10.17@70.865,38.72 71.67,38.72 72.73,37.66 72.73,33.214 71.986,32.47 71.95,32.47 ; v1(68.72,50.29) 69.11,50.68 ; C71.2@70.23,52.96 69.11,51.84 69.11,50.68 ; C72.2@72.32,52.99 72.58,52.73 72.58,51 73.34,50.24 U10.143@73.34,48.695 U10.144@72.84,48.695 72.84,49.84 72,50.68 69.11,50.68 ; U10.39@73.84,27.245 73.84,25.62 75.01,24.45 ; v1(74.04,24.45) 75.01,24.45 ; C67.2@75.65,23.52 75.65,23.81 75.01,24.45 ; C66.2@79.935,23.625 80.34,24.03 U10.52@80.34,27.245 80.34,28.95 83.06,31.67 87.07,31.67 ; C73.2@79.97,52.99 79.34,52.36 U10.131@79.34,48.695 79.34,47.63 79.84,47.13 83.48,47.13 ; C66.2@80.04,23.37 C66.2@80.04,23.52 ; v1(80.3,83.84) 80.68,83.46 80.68,79.88 79.57,78.77 79.57,76.197 78.21,74.837 78.21,69.95 84.05,64.11 ; C74.2@83.48,52.97 83.48,50.5 84.34,49.64 U10.121@84.34,48.695 84.34,47.99 83.48,47.13 ; C65.2@85.01,23.52 85.34,23.85 U10.62@85.34,27.245 85.34,28.09 84.98,28.45 84.98,29.58 87.07,31.67 ; U12.13@89.484,56.207 84.73,60.962 84.73,63.43 84.05,64.11 ; U12.13@89.487,56.21 U12.12@89.987,56.21 U12.11@90.487,56.21 U12.10@90.987,56.21 U12.9@91.487,56.21 U12.8@91.987,56.21 U12.7@92.487,56.21 ; U12.24@91.992,52.59 91.987,52.59 88.875,52.59 88.261,53.204 88.261,55.51 86.791,56.98 84.808,56.98 81.884,59.904 81.884,63.42 82.574,64.11 84.05,64.11 ; U12.7@92.487,56.2 U12.6@92.992,56.2 ; C63.2@97.72,31.87 97.72,32.151 95.151,34.72 U10.84@92.315,34.72 91.08,34.72 ; C62.2@97.72,38.43 97.41,38.43 95.62,40.22 U10.95@92.315,40.22 91.39,40.22 91.08,39.91 ; C61.2@97.72,46.64 97.64,46.72 94.91,46.72 ; D11.A@103,20.6 D9.A@103,23.96 103,24.15 101.54,25.61 95.2,25.61 C64.2@93.11,23.52 90.34,26.29 U10.72@90.34,27.245 90.34,29.96 88.63,31.67 ; 83.48,47.13 89.994,47.13 91.827,48.963 93.527,48.963 94.91,47.58 94.91,46.72 ; 87.07,31.67 88.63,31.67 ; 88.63,31.67 88.63,32.27 91.08,34.72 ; 91.08,34.72 91.08,39.91 ; 91.08,39.91 89.44,41.55 87.736,41.55 86.793,42.493 86.793,43.269 87.043,43.519 89.023,43.519 90.934,45.43 90.934,46.124 91.53,46.72 U10.108@92.315,46.72 94.91,46.72
  Bottom Layer w0.254: v1(64.04,86.68) 67.02,83.7 67.16,83.84 v1(80.3,83.84) ; v1(67.9,29.93) 67.9,29.09 72.54,24.45 v1(74.04,24.45) 79.87,24.45 v1(80.35,24.93) ; v1(68.11,43.5) 68.72,44.11 v1(68.72,50.29) ; v1(83.49,51.04) 83.49,54.68 v1(85.82,57.01)
pads on no net: P1.4 P1.5 P1.23 P1.24 P1.25 P1.26 P1.27 P1.28 P1.29 P1.30 P1.31 P1.32 P1.33 P1.34 P1.35 P1.36 P1.37 P1.38 P1.39 P1.40 P1.41 P1.42 P1.43 P1.48 P2.0 P2.4 P5.0 P5.4 P8.0 P8.4 U1.1 U1.2 U1.3 U1.4 U1.5 U1.9 U1.10 U1.11 U1.12 U1.13 U1.14 U1.15 U1.18 U1.19 U1.20 U1.21 U1.22 U1.23 U1.24 U1.26 U1.28 U1.29 U1.35 U1.45 U1.48 U1.53 U1.54 U1.55 U1.66 U1.67 U1.68 U1.69 U1.70 U1.76 U1.79 U1.88 U1.89 U1.90 U1.91 U1.92 U1.93 U1.96 U1.97 U1.98 U1.99 U1.110 U1.113 U1.114 U1.115 U1.116 U1.117 U1.118 U1.119 U1.124 U1.125 U1.126 U1.127 U1.128 U1.129 U1.132 U1.133 U1.134 U1.137 U1.142 U2.7 U2.14 U2.15 U2.16 U3.25 U3.31 U6.1 U6.2 U6.3 U6.4 U6.5 U6.9 U6.10 U6.11 U6.12 U6.13 U6.14 U6.15 U6.18 U6.19 U6.20 U6.21 U6.22 U6.23 U6.24 U6.26 U6.28 U6.29 U6.35 U6.45 U6.48 U6.53 U6.54 U6.55 U6.66 U6.67 U6.68 U6.69 U6.70 U6.76 U6.88 U6.89 U6.90 U6.91 U6.92 U6.93 U6.96 U6.97 U6.98 U6.99 U6.110 U6.113 U6.114 U6.115 U6.116 U6.117 U6.118 U6.119 U6.123 U6.124 U6.125 U6.126 U6.127 U6.128 U6.129 U6.132 U6.133 U6.134 U6.137 U6.142 U7.7 U7.14 U7.15 U7.16 U8.25 U8.31 U10.1 U10.2 U10.3 U10.4 U10.5 U10.9 U10.10 U10.11 U10.12 U10.13 U10.14 U10.15 U10.18 U10.19 U10.20 U10.21 U10.22 U10.23 U10.24 U10.26 U10.28 U10.29 U10.35 U10.45 U10.48 U10.53 U10.54 U10.55 U10.66 U10.67 U10.68 U10.69 U10.70 U10.76 U10.79 U10.88 U10.89 U10.90 U10.91 U10.92 U10.93 U10.96 U10.97 U10.98 U10.99 U10.110 U10.113 U10.114 U10.115 U10.116 U10.117 U10.118 U10.119 U10.124 U10.125 U10.126 U10.127 U10.128 U10.129 U10.132 U10.133 U10.134 U10.137 U10.142 U11.7 U11.14 U11.15 U11.16 U12.25 U12.31 Y1.2 Y1.3 Y1.6 Y1.7 Y2.2 Y2.3 Y2.6 Y2.7 Y3.2 Y3.3 Y3.6 Y3.7

## Polygon pours and split planes (outlines as drawn)
GND on Ground Plane (split plane): 149.49,15.51 50.51,15.51 50.51,114.49 149.49,114.49
VCC on Power Plane (split plane): 149.49,15.51 50.51,15.51 50.51,114.49 149.49,114.49

## Silkscreen, mask and mechanical layers (free items; w line width, h text height)
Top Overlay:
  text "Trillium v4.0 / June 2019" at 126.19,67.1 h1.5